# Altium PCB RevA2.PcbDoc (part 1 of 6)
Units mm, origin at the board's own origin, x right, y up, seen from the top; angles counter-clockwise.
Board outline 173 x 171 mm, 2 copper layers (Top Layer, Top, Bottom Layer, Bottom); 282 components, 411 nets, 1735 pads, 1978 vias.
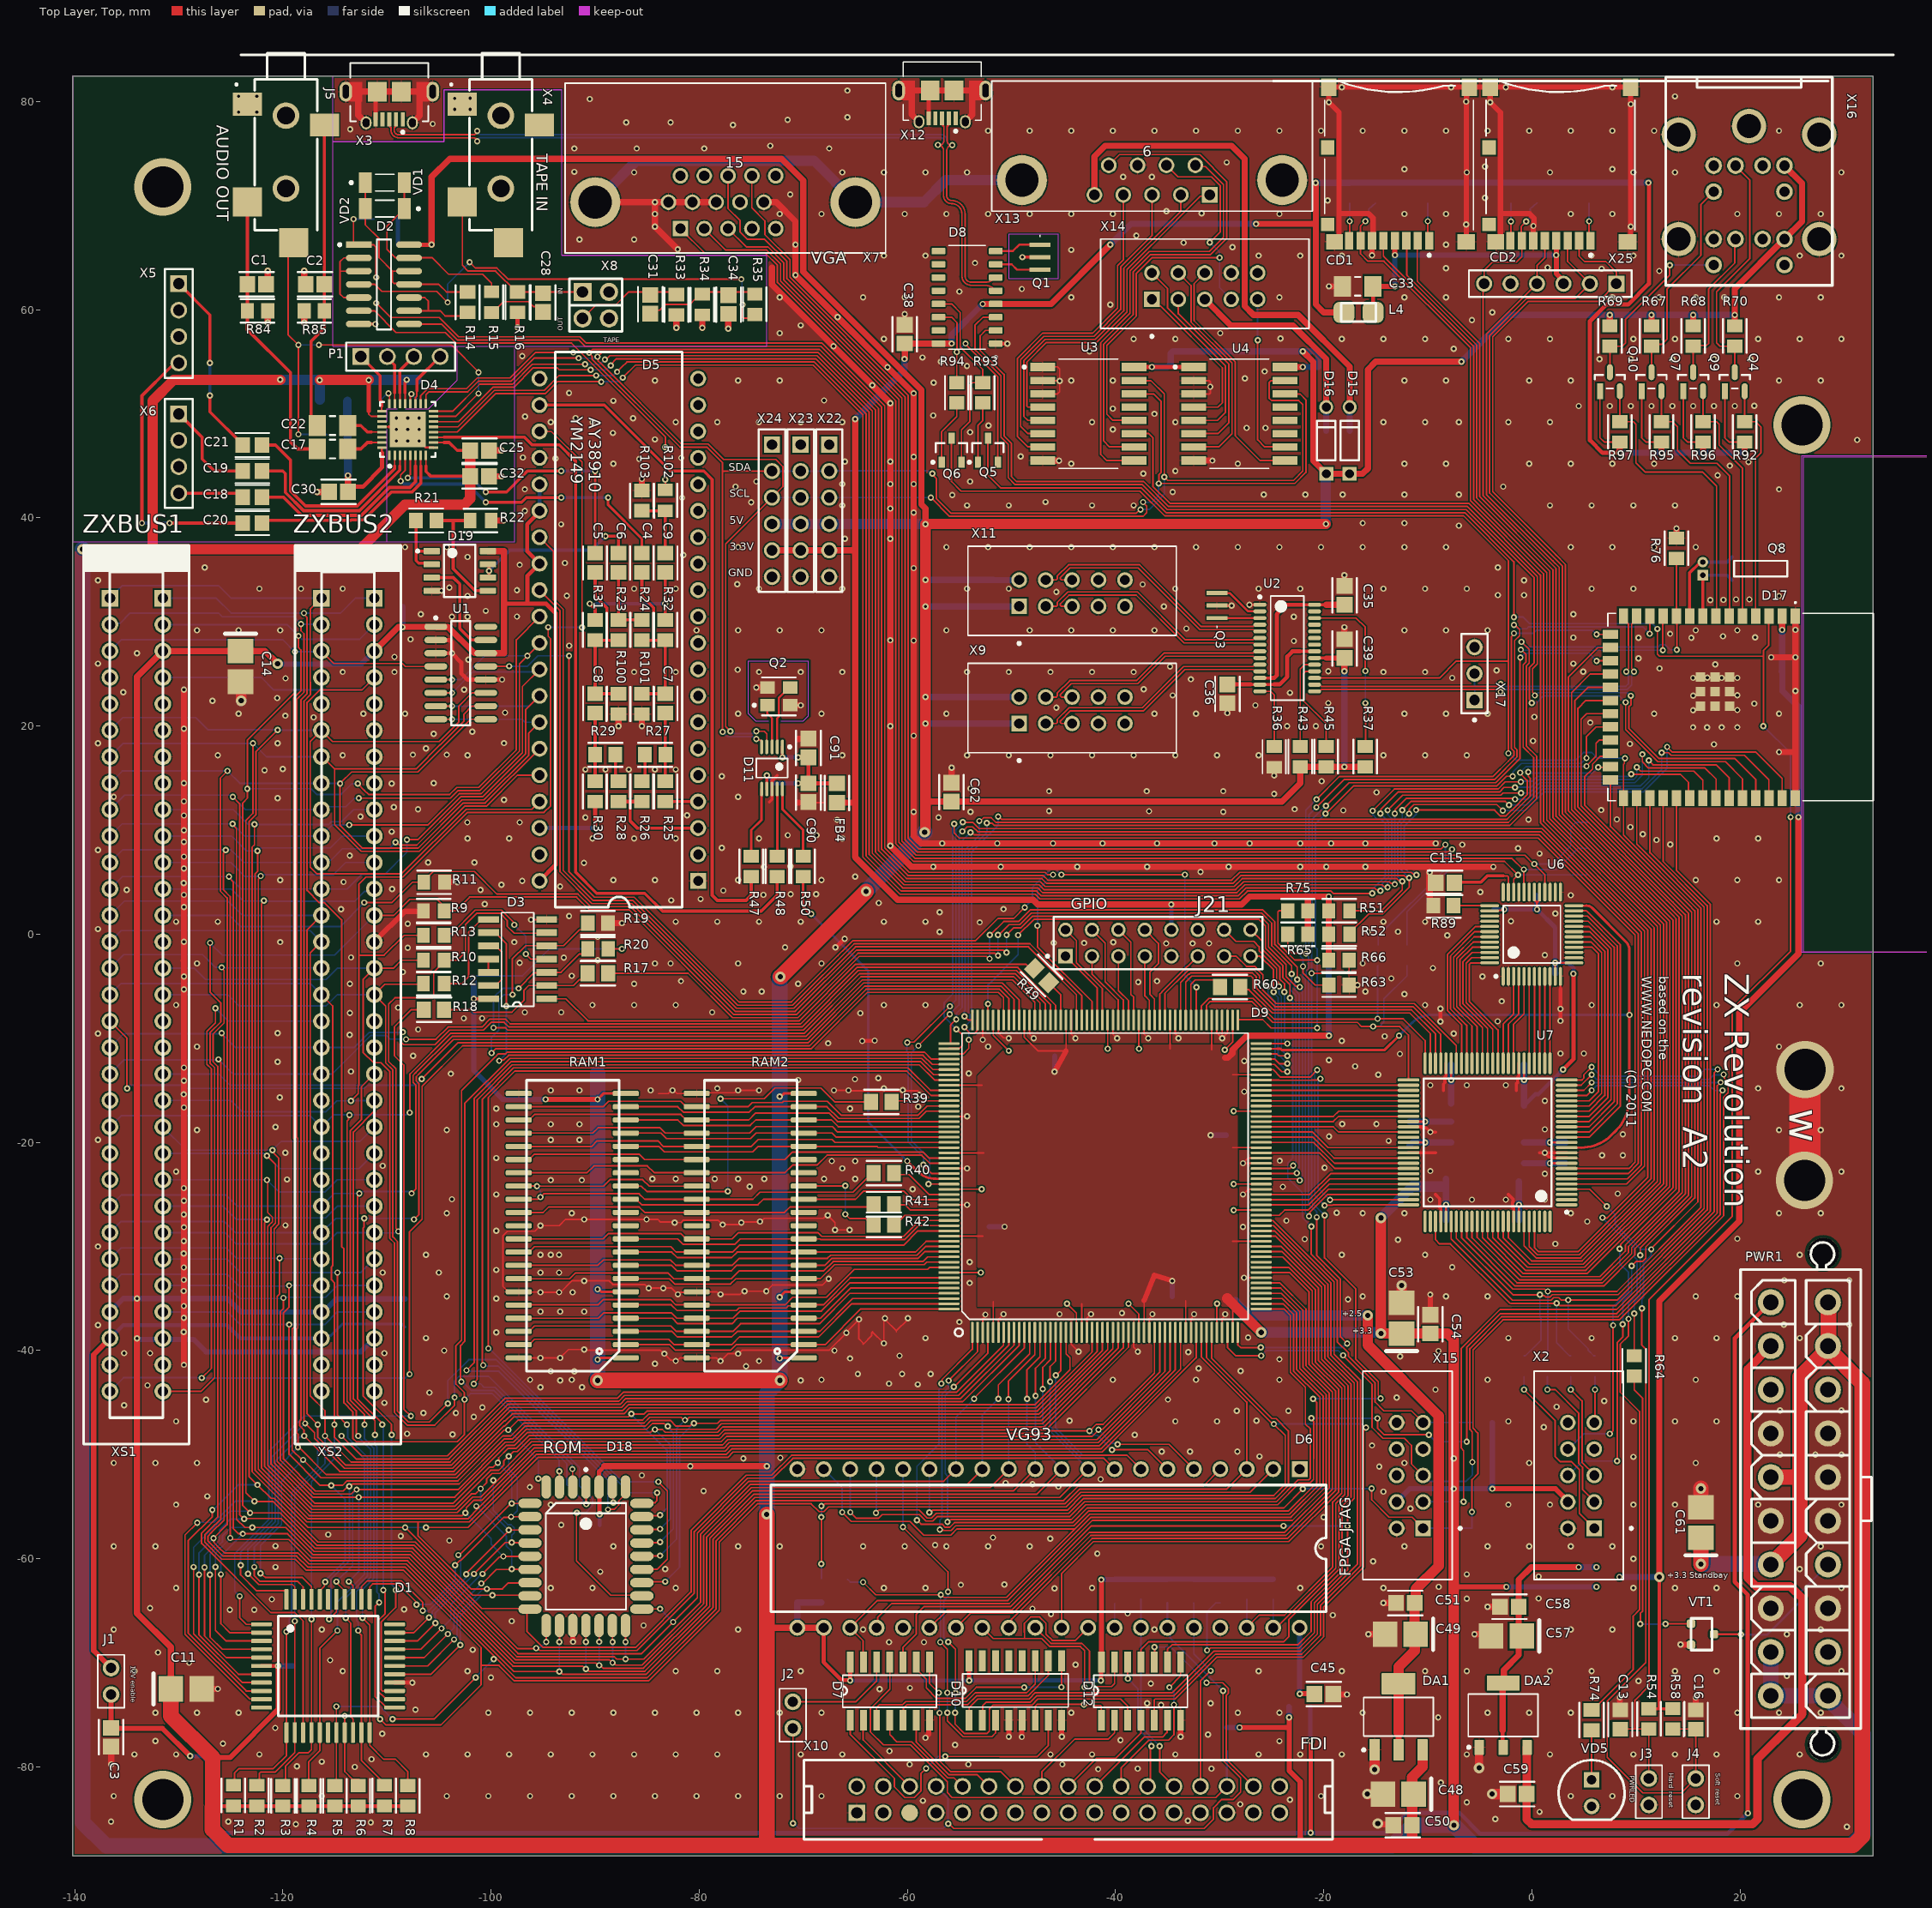
[diagram p0: Top Layer, Top view]
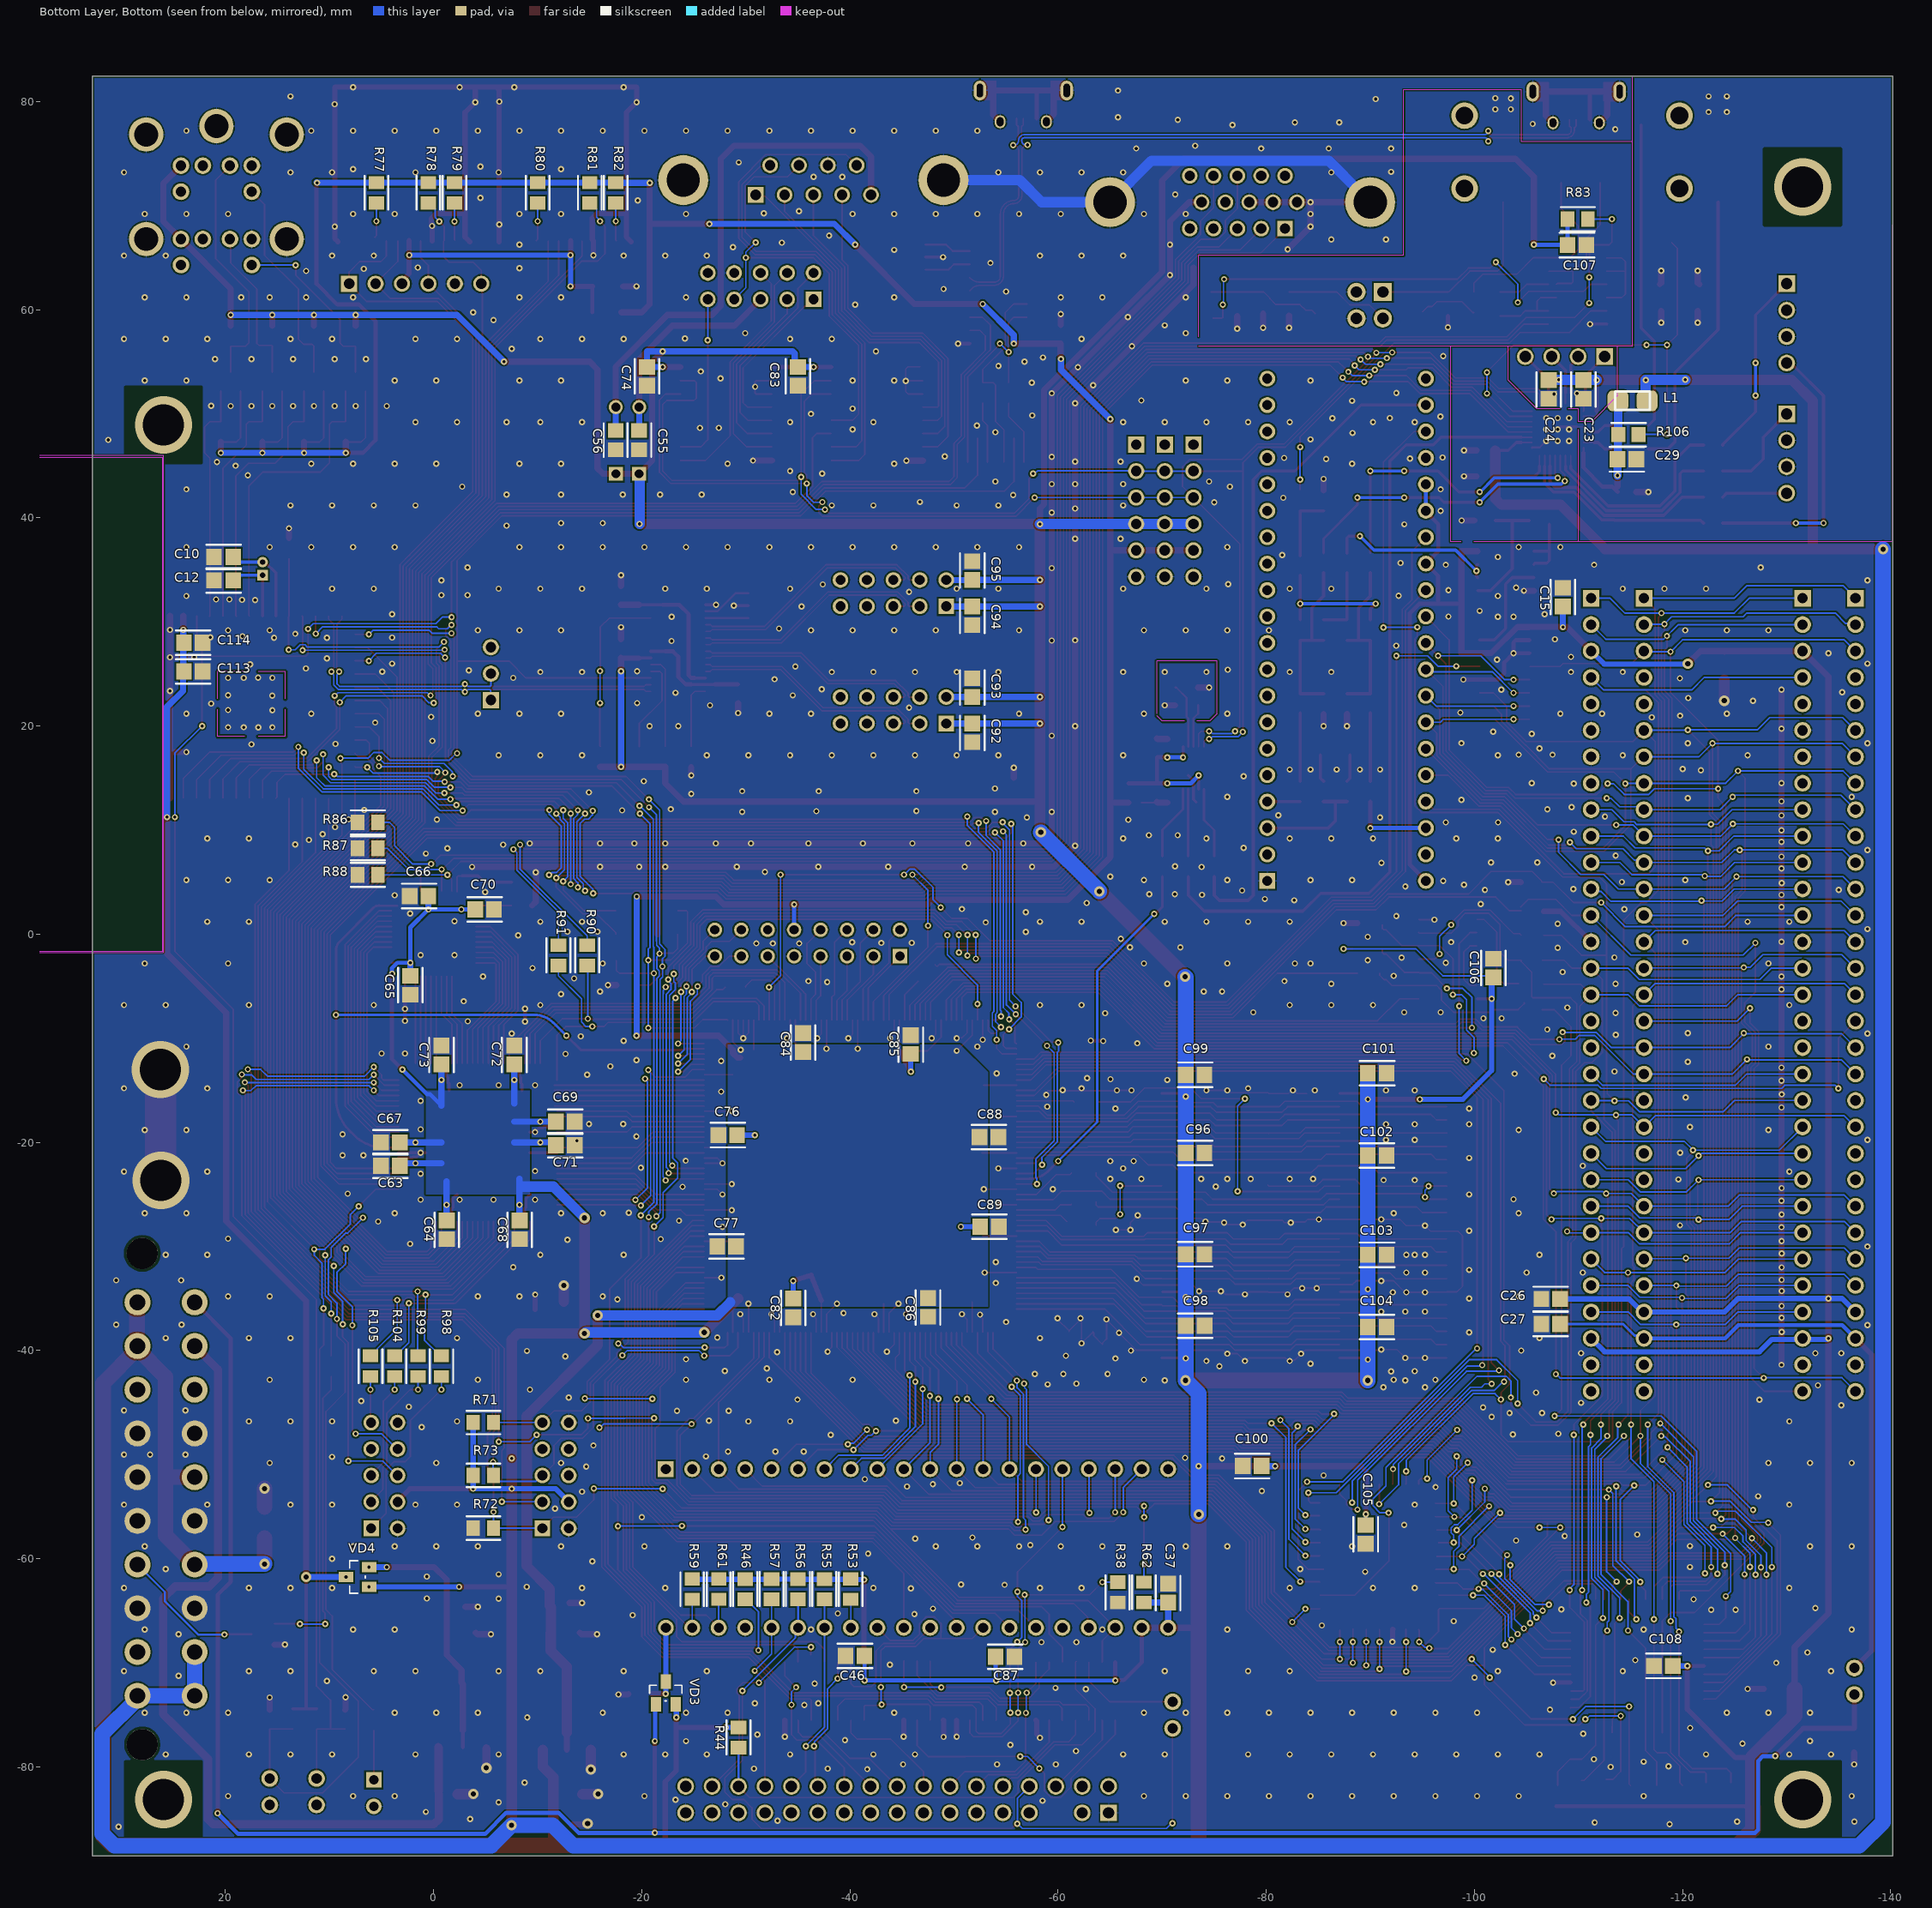
[diagram p1: Bottom Layer, Bottom view, seen from below]

## Layer stack, top to bottom
Top Solder, Top Mask: solder mask 0.0102, Solder Resist, Dk 3.5
Top Layer, Top: signal copper 0.0356
Dielectric 1: dielectric 0.32, FR-4, Dk 4.8
Bottom Layer, Bottom: signal copper 0.0356
Bottom Solder, Bot Mask: solder mask 0.0102, Solder Resist, Dk 3.5

## Board outline
-140.2,-88.54 32.8,-88.54 32.8,82.46 -140.2,82.46

## Design rules (kind name [scope] priority, off if disabled: settings)
BoardOutlineClearance [All] p1: gap=0.2 ignorepadtopadclearanceinfootprint=FALSE
Clearance [All] p1: gap=0.15 ignorepadtopadclearanceinfootprint=FALSE except(0.2: Arc-SMDPad Arc-THPad Arc-Text Track-SMDPad Track-THPad Track-Text SMDPad-SMDPad SMDPad-THPad SMDPad-Text THPad-THPad THPad-Text Via-Text Fill-Text Poly-Text Region-Text Text-Text; 0.25: Arc-Hole Track-Hole SMDPad-Hole THPad-Hole Via-Hole Fill-Hole Poly-Hole Region-Hole Text-Hole)
ComponentClearance [All] p1: gap=0.127 collisioncheckmode=3 verticalgap=0.127 showdistances=TRUE
DiffPairsRouting [All] p1: maxlimit=0.15 minlimit=0.15 mostfreqgap=0.15 toplayer_minwidth=0.15 toplayer_maxwidth=0.15 toplayer_prefwidth=0.15 bottomlayer_minwidth=0.15 bottomlayer_maxwidth=0.15 bottomlayer_prefwidth=0.15 maxuncoupledlength=12.7
Height [All] p1: minheight=0 maxheight=1816.048 prefheight=12.7
HoleSize [All] p1: absolutevalues=TRUE maxlimit=6.3 minlimit=0.3 maxpercent=80.000 minpercent=20.000
HoleToHoleClearance [All] p1: gap=0.25 allowstackedmicrovias=FALSE
MinimumAnnularRing [All] p1: minimumring=0.076
MinimumSolderMaskSliver [All] p1: minsoldermaskwidth=0
PlaneClearance [All] p1: clearance=0.127
PlaneConnect PlaneConnectPowerPads [InPadClass('PowerPads')] p1: planeconnectstyle=Direct reliefexpansion=0.508 reliefentries=4 reliefconductorwidth=0.254 reliefairgap=0.254
PlaneConnect [All] p2: pad.planeconnectstyle=Relief pad.reliefexpansion=0.3 pad.reliefentries=4 pad.reliefconductorwidth=0.127 pad.reliefairgap=0.127 via.planeconnectstyle=Direct via.reliefexpansion=0.3 via.reliefentries=4 via.reliefconductorwidth=0.127 via.reliefairgap=0.127
PolygonConnect PolygonConnectPowerPads [All vs (InPadClass('PowerPads'))] p1: connectstyle=Direct reliefconductorwidth=0.254 reliefentries=4 polygonreliefangle="90 Angle" airgapwidth=0.254
PolygonConnect [All] p2: thpad.connectstyle=Relief thpad.reliefconductorwidth=0.127 thpad.reliefentries=4 thpad.polygonreliefangle="90 Angle" thpad.airgapwidth=0.127 smdpad.connectstyle=Relief smdpad.reliefconductorwidth=0.127 smdpad.reliefentries=4 smdpad.polygonreliefangle="90 Angle" smdpad.airgapwidth=0.127 via.connectstyle=Direct via.reliefconductorwidth=0.127 via.reliefentries=4 via.polygonreliefangle="90 Angle" via.airgapwidth=0.127
RoutingVias [All] p1: holewidth=0.3 width=0.6 viastyle="Through Hole" minholewidth=0.3 minwidth=0.6 maxholewidth=8 maxwidth=8
SilkToSilkClearance [All] p1: silktosilkclearance=0
SilkToSolderMaskClearance [IsPad] p1: minsilkscreentomaskgap=0.127 clearancetoexposedcopper=TRUE
SolderMaskExpansion [All] p1: expansion=0.05 istentingtop=FALSE
Width [All] p1: maxlimit=25.4 minlimit=0.15 preferedwidth=0.15 minimp=50.000000 maximp=50.000000 favimp=50.000000
20 further rules are at their usual default settings.

## Classes and differential pairs
component class U_PLL: C90 C91 D11 FB4 Q2 R47 R48 R50
net class FPGA_SEL[0..1]: FPGA_SEL0 FPGA_SEL1
net class RD[0..15]: RD0 RD1 RD2 RD3 RD4 RD5 RD6 RD7 RD8 RD9 RD10 RD11 RD12 RD13 RD14 RD15
net class RA[0..9]: RA0 RA1 RA2 RA3 RA4 RA5 RA6 RA7 RA8 RA9
net class U_Memory_Nets: NetRAM1_11 NetRAM1_12 NetRAM1_15 NetRAM1_16 NetRAM1_32 NetRAM2_11 NetRAM2_12 NetRAM2_15 NetRAM2_16 NetRAM2_32
net class "U_AY Amp_Nets": AVDD CHA_3 CHB_3 CHC_3 JDET_3 left_ch1_3 left_ch2_3 left_ch3_3 LOUT_3 NetC1_2 NetC2_2 NetC4_2 NetC5_2 NetC6_1 NetC6_2 NetC7_1 NetC8_1 NetC9_1 NetC9_2 NetC18_1 NetC19_1 NetC20_1 NetC21_1 NetD2_6 NetD3_5 NetD3_6 NetD3_7 NetD3_9 NetD3_12 NetD3_13 NetD3_14 NetD3_15 NetD3_16 NetD3_17 NetD3_18 NetD3_19 NetD3_20 NetD3_21 NetD3_39 NetD19_1 NetD19_3 NetD19_5 NetR26_1 NetR28_1 NetU1_20 NetU1_32 NetX7_2 NetX7_5 right_ch1_3 right_ch2_3 right_ch3_3 ROUT_3 SPK_LN_3 SPK_LP_3 SPK_RN_3 SPK_RP_3
net class U_Gamepads_Nets: GPAD1_BTN_B_10 GPAD1_BTN_C_10 GPAD1_DN_10 GPAD1_LEFT_10 GPAD1_RIGHT_10 GPAD1_UP_10 GPAD2_BTN_B_10 GPAD2_BTN_C_10 GPAD2_DN_10 GPAD2_LEFT_10 GPAD2_RIGHT_10 GPAD2_UP_10 GPAD_SELECT_10 LED1_10 NetC55_2 NetC56_2 NetU4_13 NetU5_13 NetX14_10
net class FPGA_Nets: CLKZ_IN_1 CLKZ_OUT_1 CSROM_1 GPIO_0_1 GPIO_1_1 GPIO_2_1 GPIO_3_1 GPIO_4_1 GPIO_5_1 GPIO_6_1 GPIO_7_1 GPIO_8_1 GPIO_9_1 GPIO_10_1 GPIO_11_1 GPIO_12_1 GPIO_13_1 NetD3_2 NetD3_4 NetD3_8 NetD3_10 NetD3_11 NetD8_62 NetD8_134 NetD9_114 NetD9_139 NetD9_168 NetD9_186 NetD9_189 NetD9_190 NetX15_6 NetX15_7 NetX15_8 R\D\A\T\_\B\_1 R\O\M\P\G\0\_1 RES_1 TDI_FPGA_1 VCC5
net class U_FDC_Nets: D\I\R\_5 D\S\0\_5 D\S\1\_5 D\S\2\_5 D\S\3\_5 DIR_5 I\P\_5 M\O\T\_5 NetC45_2 NetD7_12 NetD13_25 NetD14_12 NetD14_13 NetD14_14 NetD14_15 NetX15_2 NetX15_4 NetX15_5 NetX15_34 R\D\A\T\_5 S\I\D\E\_5 S\T\E\P\_5 T\R\0\0\_5 VG_DS0_5 VG_DS1_5 VG_DS2_5 VG_DS3_5 VG_MOT_5 W\D\_5 W\G\_5 W\P\_5 WG_5
net class U_ESP32_Nets: ESP_IO45_11 ESP_IO46_11 NetC10_1 NetC12_1 NetD5_2 NetD5_9 NetD5_10 NetD5_11 NetD5_12 NetD5_13 NetD5_14 NetD5_15 NetD5_16 NetD5_17 NetD5_18 NetD5_19 NetD5_20 NetD5_21 NetD5_22 NetD5_23 NetD5_24 NetD5_25 NetD5_26 NetD5_28 NetD5_29 NetD5_30 NetD5_31 NetD5_38 NetD5_39 NetD17_24 NetQ4_3 NetQ5_1 NetQ6_1 NetQ7_3 NetQ9_3 NetQ10_3 NetR98_1 NetR99_1 NetR104_1 NetR105_1 NetX2_7 P\R\G\R\S\T\_11 PS2_KEYB_CLK_11 PS2_KEYB_DAT_11 PS2_MOUS_CLK_11 PS2_MOUS_DAT_11
net class "U_CPU ROM_Nets": NetD16_11 NetD16_17 NetD16_33 NetD16_39
net class U_BUS_Nets: NetXS1_A5 NetXS1_A8 NetXS1_A17 NetXS1_A18 NetXS1_B4 NetXS1_B5 NetXS1_B20 NetXS1_B22 NetXS1_B23 NetXS2_A5 NetXS2_A8 NetXS2_A17 NetXS2_A18 NetXS2_A31 NetXS2_B4 NetXS2_B5 NetXS2_B20 NetXS2_B22 NetXS2_B23 NetXS2_B31 VCC12S
net class D[0..7]: D0 D1 D2 D3 D4 D5 D6 D7
net class A[0..15]: A0 A1 A2 A3 A4 A5 A6 A7 A8 A9 A10 A11 A12 A13 A14 A15
net class ROMPG[2..4]: ROMPG2 ROMPG3 ROMPG4
net class VDAT[0..15]: VDAT0 VDAT1 VDAT2 VDAT3 VDAT4 VDAT5 VDAT6 VDAT7 VDAT8 VDAT9 VDAT10 VDAT11 VDAT12 VDAT13 VDAT14 VDAT15
net class DAC_R[0..7]: DAC_R0 DAC_R1 DAC_R2 DAC_R3 DAC_R4 DAC_R5 DAC_R6 DAC_R7
net class DAC_G[0..7]: DAC_G0 DAC_G1 DAC_G2 DAC_G3 DAC_G4 DAC_G5 DAC_G6 DAC_G7
net class DAC_B[0..7]: DAC_B0 DAC_B1 DAC_B2 DAC_B3 DAC_B4 DAC_B5 DAC_B6 DAC_B7
component class U_USB: C35 C36 C38 C39 C92 C93 C94 C95 D8 Q1 Q3 R36 R37 R43 R45 U2 X3 X9 X11 X12
component class "U_Video out": C65 C66 C70 C115 R86 R87 R88 R89 R90 R91 U6 X7
component class U_Gamepads: C55 C56 C74 C83 D15 D16 R74 U3 U4 X13 X14
component class U_ESP32: C10 C12 C13 C16 C113 C114 D17 J3 J4 Q4 Q5 Q6 Q7 Q8 Q9 Q10 R51 R52 R54 R58 R63 R64 R65 R66 R67 R68 R69 R70 R75 R76 R92 R93 R94 R95 R96 R97 R98 R99 R104 R105 X2 X16 X17
component class U_CPLD: C63 C64 C67 C68 C69 C71 C72 C73 U7
pad class PowerPads: C1-1 C1-2 C2-1 C2-2 C3-1 C3-2 C4-1 C4-2 C5-1 C5-2 C6-1 C6-2 C7-1 C7-2 C8-1 C8-2 C9-1 C9-2 C10-1 C10-2 C11-1 C11-2 C12-1 C12-2 C13-1 C13-2 C14-1 C14-2 C15-1 C15-2 C16-1 C16-2 C17-1 C17-2 C18-1 C18-2 C19-1 C19-2 C20-1 C20-2 C21-1 C21-2 C22-1 C22-2 C23-1 C23-2 C24-1 C24-2 C25-1 C25-2 C26-1 C26-2 C27-1 C27-2 C29-1 C29-2 C30-1 C30-2 C32-1 C32-2 C33-1 C33-2 C34-1 C34-2 C35-1 C35-2 C36-1 C36-2 C37-1 C37-2 C38-1 C38-2 C39-1 C39-2 C45-1 C45-2 C46-1 C46-2 C48-1 C48-2 C49-1 C49-2 C50-1 C50-2 C51-1 C51-2 C53-1 C53-2 C54-1 C54-2 C55-1 C55-2 C56-1 C56-2 C57-1 C57-2 C58-1 C58-2 C59-1 C59-2 C61-1 C61-2 C62-1 C62-2 C63-1 C63-2 C64-1 C64-2 C65-1 C65-2 C66-1 C66-2 C67-1 C67-2 C68-1 C68-2 C69-1 C69-2 C70-1 C70-2 C71-1 C71-2 C72-1 C72-2 C73-1 C73-2 C74-1 C74-2 C76-1 C76-2 C77-1 C77-2 C82-1 C82-2 C83-1 C83-2 C84-1 C84-2 C85-1 C85-2 C86-1 C86-2 C87-1 C87-2 C88-1 C88-2 C89-1 C89-2 C90-1 C90-2 C91-1 C91-2 C92-1 C92-2 C93-1 C93-2 C94-1 C94-2 C95-1 C95-2 C96-1 C96-2 C97-1 C97-2 C98-1 C98-2 C99-1 C99-2 C100-1 C100-2 C101-1 C101-2 C102-1 C102-2 C103-1 C103-2 C104-1 C104-2 C105-1 C105-2 C106-1 C106-2 C107-1 C107-2 C108-1 C108-2 C113-1 C113-2 C114-1 C114-2 C115-1 C115-2 D11-8 D17-EPAD PWR1-1 PWR1-2 PWR1-3 PWR1-4 PWR1-5 PWR1-6 PWR1-7 PWR1-8 PWR1-9 PWR1-10 PWR1-11 PWR1-12 PWR1-13 PWR1-14 PWR1-15 PWR1-16 PWR1-17 PWR1-18 PWR1-19 PWR1-20 PWR1-21 PWR1-22 Q2-1 Q2-2 Q2-3 Q2-4 R1-1 R1-2 R2-1 R2-2 R3-1 R3-2 R4-1 R4-2 R5-1 R5-2 R6-1 R6-2 R7-1 R7-2 R8-1 R8-2 R9-1 R9-2 R10-1 R10-2 R11-1 R11-2 R12-1 R12-2 R13-1 R13-2 R14-1 R14-2 R15-1 R15-2 R16-1 R16-2 R17-1 R17-2 R18-1 R18-2 R19-1 R19-2 R20-1 R20-2 R33-1 R33-2 R34-1 R34-2 R35-1 R35-2 R36-1 R36-2 R37-1 R37-2 R38-1 R38-2 R39-1 R39-2 R40-1 R40-2 R41-1 R41-2 R42-1 R42-2 R43-1 R43-2 R44-1 R44-2 R45-1 R45-2 R46-1 R46-2 R47-1 R47-2 R48-1 R48-2 R49-1 R49-2 R50-1 R50-2 R53-1 R53-2 R55-1 R55-2 R56-1 R56-2 R57-1 R57-2 R59-1 R59-2 R60-1 R60-2 R61-1 R61-2 R62-1 R62-2 R67-1 R67-2 R68-1 R68-2 R69-1 R69-2 R70-1 R70-2 R71-1 R71-2 R72-1 R72-2 R73-1 R73-2 R74-1 R74-2 R77-1 R77-2 R78-1 R78-2 R79-1 R79-2 R80-1 R80-2 R81-1 R81-2 R82-1 R82-2 R83-1 R83-2 R86-1 R86-2 R87-1 R87-2 R88-1 R88-2 R89-1 R89-2 R90-1 R90-2 R91-1 R91-2
component class U_SDCARD: C33 CD1 CD2 L4 R77 R78 R79 R80 R81 R82 X25
component class U_BUS: C3 C11 C14 C15 C26 C27 J1 R9 R10 R11 XS1 XS2
component class U_Tape: C28 C31 C34 C107 D2 R14 R15 R16 R33 R34 R35 VD1 VD2 X4 X8
component class "U_CPU ROM": C100 C105 C108 D1 D18 R1 R2 R3 R4 R5 R6 R7 R8
component class "U_Power ATX": C48 C49 C50 C51 C53 C54 C57 C58 C59 C61 C62 C76 C77 C82 C84 C85 C86 C88 C89 DA1 DA2 PWR1 VD4 VT1
component class U_Memory: C96 C97 C98 C99 C101 C102 C103 C104 RAM1 RAM2
component class FPGA: C106 D3 D9 J21 R12 R13 R17 R18 R19 R20 R39 R40 R41 R42 R49 R60 R71 R72 R73 R83 VD5 X15 X22 X23 X24
component class U_FDC: C37 C45 C46 C87 D6 D7 D10 D12 J2 R38 R44 R46 R53 R55 R56 R57 R59 R61 R62 VD3 X10
component class "U_AY Amp": C1 C2 C4 C5 C6 C7 C8 C9 C17 C18 C19 C20 C21 C22 C23 C24 C25 C29 C30 C32 D4 D5 D19 J5 L1 P1 R21 R22 R23 R24 R25 R26 R27 R28 R29 R30 R31 R32 R84 R85 R100 R101 R102 R103 R106 U1 X5 X6
differential pair USB_DEV_7: +USB_DEV_7_p -USB_DEV_7_n
differential pair USB4_7: +USB4_7_p -USB4_7_n
differential pair USB3_7: +USB3_7_p -USB3_7_n
differential pair USB2_7: +USB2_7_p -USB2_7_n
differential pair USB1_7: +USB1_7_p -USB1_7_n
differential pair USB_1: +USB_1_p -USB_1_n

## Components (designator, comment, footprint, x,y, rotation, side; value= is the part's Value field where it differs from the comment)
C1 "CC0805KRX7R9BB221" FP-CC0805-0_85-IPC_A -122.502,62.44 r180 top value="220 pF"
C2 "CC0805KRX7R9BB221" FP-CC0805-0_85-IPC_A -116.901,62.44 r0 top value="220 pF"
C3 "CC0805KRX7R9BB104" FP-CC0805-0_85-IPC_A -136.5,-77.151 r270 top value="100 nF"
C4 "GCM21BR71E105KA56L" FP-GCM21B-0_15-IPC_A -85.5,35.676 r90 top value=1uF
C5 "GCM21BR71E105KA56L" FP-GCM21B-0_15-IPC_A -90,35.676 r90 top value=1uF
C6 "GCM21BR71E105KA56L" FP-GCM21B-0_15-IPC_A -87.75,35.676 r90 top value=1uF
C7 "GCM21BR71E105KA56L" FP-GCM21B-0_15-IPC_A -83.25,22.176 r90 top value=1uF
C8 "GCM21BR71E105KA56L" FP-GCM21B-0_15-IPC_A -90,22.176 r90 top value=1uF
C9 "GCM21BR71E105KA56L" FP-GCM21B-0_15-IPC_A -83.25,35.676 r270 top value=1uF
C10 "CL21C1R5CBANNNC" FP-CL21-IPC_A 20.176,36.25 r0 bottom value=1.5pF
C11 "TAJB226K016RNJ" AVX-TAJ-B-2_M -129.275,-72.5 r0 top value=22uF
C12 "CL21C1R5CBANNNC" FP-CL21-IPC_A 20.176,34 r0 bottom value=1.5pF
C13 "GCM21BR71E105KA56L" FP-GCM21B-0_15-IPC_A 8.5,-75.437 r270 top value=1uF
C14 "TAJB226K016RNJ" AVX-TAJ-B-2_M -124.068,25.735 r270 top value=22uF
C15 "CC0805KRX7R9BB104" FP-CC0805-0_85-IPC_A -108.5,32.391 r90 bottom value="100 nF"
C16 "GCM21BR71E105KA56L" FP-GCM21B-0_15-IPC_A 15.746,-75.437 r270 top value=1uF
C17 "GRM31CR60J107ME39L" CAPC3216X190X55ML30T25 -115.225,46.625 r180 top value="100 uF"
C18 "GCM21BR71E105KA56L" FP-GCM21B-0_15-IPC_A -122.926,42 r0 top value=1uF
C19 "GCM21BR71E105KA56L" FP-GCM21B-0_15-IPC_A -122.926,44.5 r0 top value=1uF
C20 "GCM21BR71E105KA56L" FP-GCM21B-0_15-IPC_A -122.926,39.5 r0 top value=1uF
C21 "GCM21BR71E105KA56L" FP-GCM21B-0_15-IPC_A -122.926,47 r0 top value=1uF
C22 "GRM31CR60J107ME39L" CAPC3216X190X55ML30T25 -115.225,48.875 r180 top value="100 uF"
C23 "C0805C106K8PACTU" FP-C0805C-DG-IPC_A -110.475,52.349 r270 bottom value=10uF
C24 "CC0805KRX7R9BB104" FP-CC0805-0_85-IPC_A -107.125,52.349 r270 bottom value="100 nF"
C25 "CC0805KRX7R9BB104" FP-CC0805-0_85-IPC_A -101.099,46.475 r0 top value="100 nF"
C26 "CC0805KRX7R9BB104" FP-CC0805-0_85-IPC_A -107.333,-35.04 r0 bottom value="100 nF"
C27 "CC0805KRX7R9BB104" FP-CC0805-0_85-IPC_A -107.333,-37.455 r0 bottom value="100 nF"
C28 "C0805C106K8PACTU" FP-C0805C-DG-IPC_A -95,60.69 r270 top value=10uF
C29 "C0805C106K8PACTU" FP-C0805C-DG-IPC_A -114.651,45.625 r180 bottom value=10uF
C30 "CC0805KRX7R9BB104" FP-CC0805-0_85-IPC_A -114.651,42.5 r180 top value="100 nF"
C31 "C0805C106K8PACTU" FP-C0805C-DG-IPC_A -84.7,60.518 r90 top value=10uF
C32 "CC0805KRX7R9BB104" FP-CC0805-0_85-IPC_A -101.099,44 r0 top value="100 nF"
C33 "GRM31CR60J107ME39L" CAPC3216X190X55ML30T25 -16.725,62.25 r0 top value="100 uF"
C34 "CC0805KRX7R9BB104" FP-CC0805-0_85-IPC_A -77.169,60.497 r270 top value="100 nF"
C35 "C0805C106K8PACTU" FP-C0805C-DG-IPC_A -18,32.561 r90 top value=10uF
C36 "C0805C106K8PACTU" FP-C0805C-DG-IPC_A -29.25,23.099 r270 top value=10uF
C37 "CC0805KRX7R9BB104" FP-CC0805-0_85-IPC_A -70.57,-63.299 r90 bottom value="100 nF"
C38 "CC0805KRX7R9BB104" FP-CC0805-0_85-IPC_A -60.25,57.658 r90 top value="100 nF"
C39 "CC0805KRX7R9BB104" FP-CC0805-0_85-IPC_A -18,27.441 r90 top value="100 nF"
C45 "CC0805KRX7R9BB104" FP-CC0805-0_85-IPC_A -19.987,-73 r180 top value="100 nF"
C46 "CC0805KRX7R9BB104" FP-CC0805-0_85-IPC_A -40.481,-69.34 r0 bottom value="100 nF"
C48 "TAJB226K016RNJ" AVX-TAJ-B-2_M -12.829,-82.613 r180 top value=22uF
C49 "TAJB226K016RNJ" AVX-TAJ-B-2_M -12.629,-67.25 r180 top value=22uF
C50 "CC0805KRX7R9BB104" FP-CC0805-0_85-IPC_A -12.415,-85.603 r180 top value="100 nF"
C51 "CC0805KRX7R9BB104" FP-CC0805-0_85-IPC_A -12.151,-64.25 r180 top value="100 nF"
C53 "TAJB226K016RNJ" AVX-TAJ-B-2_M -12.5,-36.888 r90 top value=22uF
C54 "CC0805KRX7R9BB104" FP-CC0805-0_85-IPC_A -9.754,-37.461 r90 top value="100 nF"
C55 "GCM21BR71E105KA56L" FP-GCM21B-0_15-IPC_A -19.75,47.464 r90 bottom value=1uF
C56 "GCM21BR71E105KA56L" FP-GCM21B-0_15-IPC_A -17.5,47.464 r90 bottom value=1uF
C57 "TAJB226K016RNJ" AVX-TAJ-B-2_M -2.446,-67.425 r180 top value=22uF
C58 "CC0805KRX7R9BB104" FP-CC0805-0_85-IPC_A -2.155,-64.613 r180 top value="100 nF"
C59 "CC0805KRX7R9BB104" FP-CC0805-0_85-IPC_A -1.405,-82.613 r180 top value="100 nF"
C61 "TAJB226K016RNJ" AVX-TAJ-B-2_M 16.25,-56.525 r90 top value=22uF
C62 "CC0805KRX7R9BB104" FP-CC0805-0_85-IPC_A -55.75,13.651 r90 top value="100 nF"
C63 "CC0805KRX7R9BB104" FP-CC0805-0_85-IPC_A 4.151,-22.25 r0 bottom value="100 nF"
C64 "CC0805KRX7R9BB104" FP-CC0805-0_85-IPC_A -1.25,-28.401 r270 bottom value="100 nF"
C65 "CC0805KRX7R9BB104" FP-CC0805-0_85-IPC_A 2.25,-4.901 r270 bottom value="100 nF"
C66 "CC0805KRX7R9BB104" FP-CC0805-0_85-IPC_A 1.403,3.678 r0 bottom value="100 nF"
C67 "CC0805KRX7R9BB104" FP-CC0805-0_85-IPC_A 4.151,-20 r0 bottom value="100 nF"
C68 "CC0805KRX7R9BB104" FP-CC0805-0_85-IPC_A -8.253,-28.401 r270 bottom value="100 nF"
C69 "CC0805KRX7R9BB104" FP-CC0805-0_85-IPC_A -12.651,-18 r180 bottom value="100 nF"
C70 "CC0805KRX7R9BB104" FP-CC0805-0_85-IPC_A -4.901,2.381 r180 bottom value="100 nF"
C71 "CC0805KRX7R9BB104" FP-CC0805-0_85-IPC_A -12.651,-20.281 r180 bottom value="100 nF"
C72 "CC0805KRX7R9BB104" FP-CC0805-0_85-IPC_A -7.75,-11.599 r90 bottom value="100 nF"
C73 "CC0805KRX7R9BB104" FP-CC0805-0_85-IPC_A -0.75,-11.599 r90 bottom value="100 nF"
C74 "CC0805KRX7R9BB104" FP-CC0805-0_85-IPC_A -20.5,53.599 r270 bottom value="100 nF"
C76 "CC0805KRX7R9BB104" FP-CC0805-0_85-IPC_A -28.25,-19.3 r0 bottom value="100 nF"
C77 "CC0805KRX7R9BB104" FP-CC0805-0_85-IPC_A -28.151,-30 r0 bottom value="100 nF"
C82 "CC0805KRX7R9BB104" FP-CC0805-0_85-IPC_A -34.55,-35.901 r270 bottom value="100 nF"
C83 "CC0805KRX7R9BB104" FP-CC0805-0_85-IPC_A -35,53.599 r270 bottom value="100 nF"
C84 "CC0805KRX7R9BB104" FP-CC0805-0_85-IPC_A -35.5,-10.401 r90 bottom value="100 nF"
C85 "CC0805KRX7R9BB104" FP-CC0805-0_85-IPC_A -45.85,-10.599 r90 bottom value="100 nF"
C86 "CC0805KRX7R9BB104" FP-CC0805-0_85-IPC_A -47.5,-35.849 r270 bottom value="100 nF"
C87 "CC0805KRX7R9BB104" FP-CC0805-0_85-IPC_A -54.901,-69.422 r0 bottom value="100 nF"
C88 "CC0805KRX7R9BB104" FP-CC0805-0_85-IPC_A -53.349,-19.5 r180 bottom value="100 nF"
C89 "CC0805KRX7R9BB104" FP-CC0805-0_85-IPC_A -53.401,-28.1 r180 bottom value="100 nF"
C90 "CC0805KRX7R9BB104" FP-CC0805-0_85-IPC_A -69.5,13.599 r270 top value="100 nF"
C91 "CC0805KRX7R9BB104" FP-CC0805-0_85-IPC_A -69.5,17.901 r90 top value="100 nF"
C92 "C0805C106K8PACTU" FP-C0805C-DG-IPC_A -51.75,19.349 r270 bottom value=10uF
C93 "C0805C106K8PACTU" FP-C0805C-DG-IPC_A -51.75,23.691 r90 bottom value=10uF
C94 "C0805C106K8PACTU" FP-C0805C-DG-IPC_A -51.75,30.599 r270 bottom value=10uF
C95 "C0805C106K8PACTU" FP-C0805C-DG-IPC_A -51.75,34.941 r90 bottom value=10uF
C96 "CC0805KRX7R9BB104" FP-CC0805-0_85-IPC_A -73.151,-21 r180 bottom value="100 nF"
C97 "CC0805KRX7R9BB104" FP-CC0805-0_85-IPC_A -73.155,-30.75 r180 bottom value="100 nF"
C98 "CC0805KRX7R9BB104" FP-CC0805-0_85-IPC_A -73.165,-37.61 r180 bottom value="100 nF"
C99 "CC0805KRX7R9BB104" FP-CC0805-0_85-IPC_A -73.155,-13.5 r180 bottom value="100 nF"